# Altium PCB BoardM.PcbDoc (part 5 of 6) (continued)
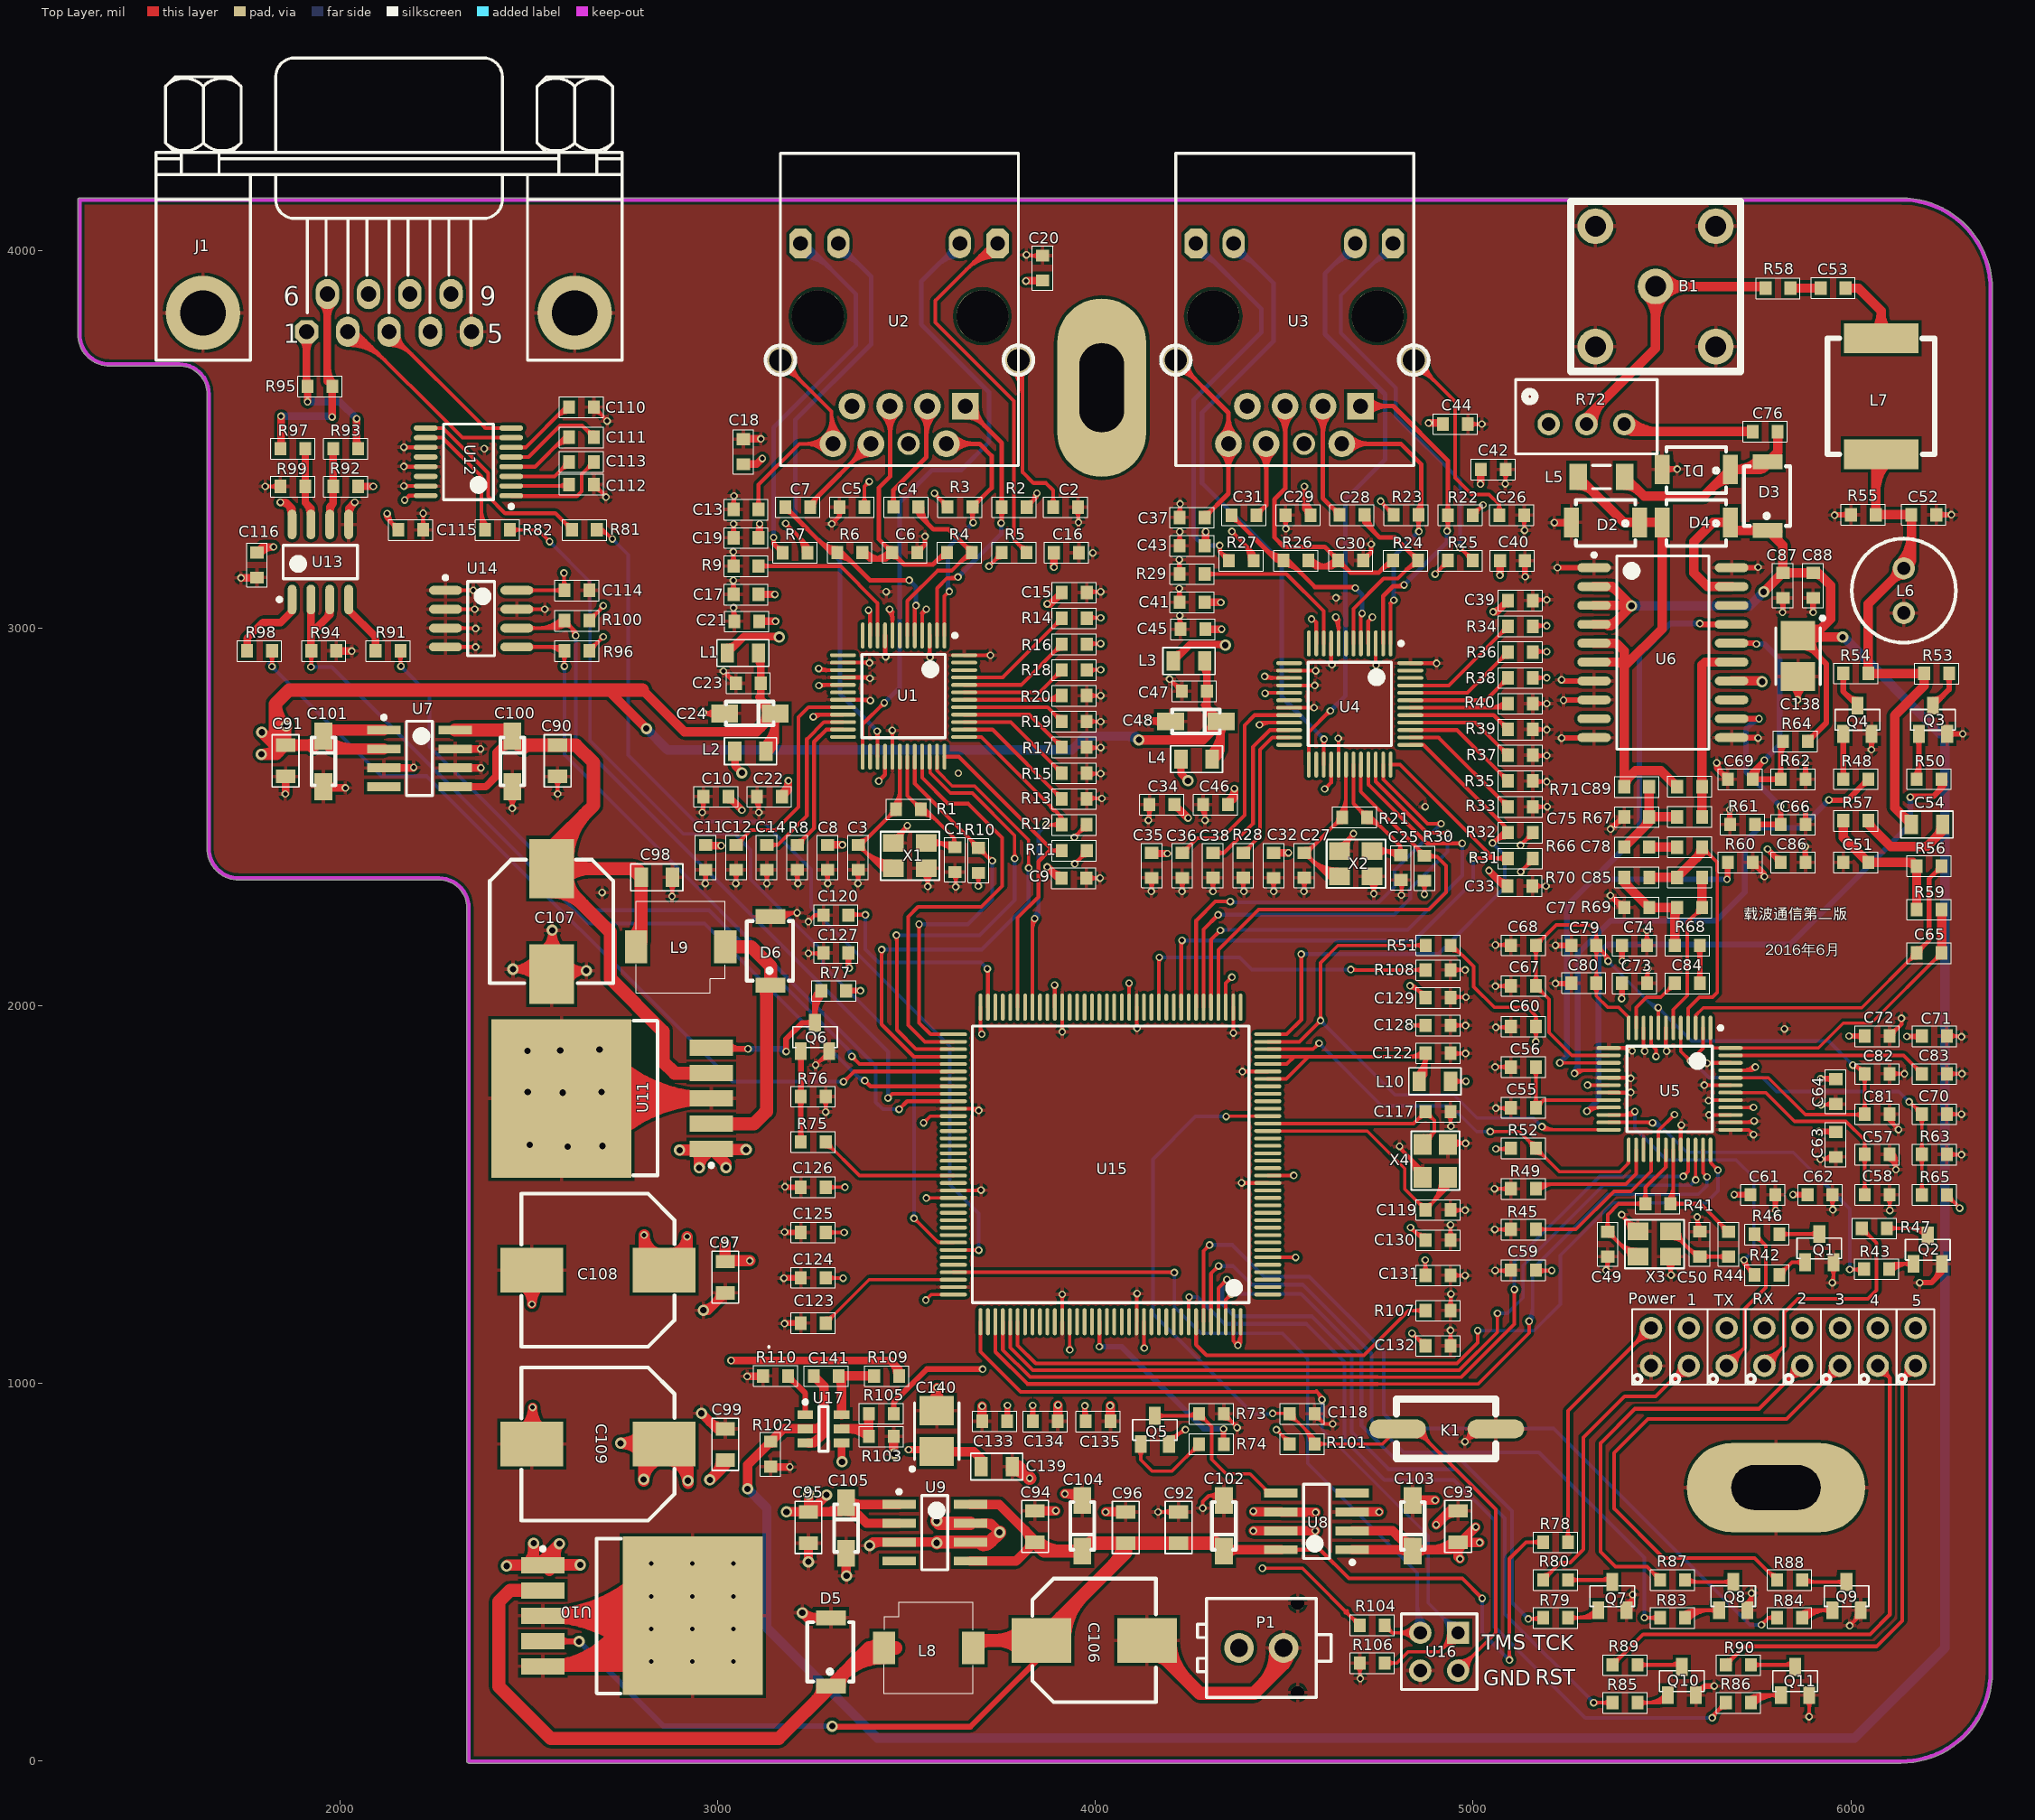
[diagram p0: Top Layer view]
## Nets (pads, with @x,y where several pads share a name; then routed paths per layer and width w, separated by ;. In a path a pad name is that pad's centre, name@x,y a point inside that pad or via, vN(x,y) a via of type N, cw(c..) or ccw(c..) an arc to the next point about the centre after c; other vN are vias at no path point) (continued)
RX_LED: R43.1 U5.23 | length 1134.3
  Top Layer w9: U5.23@5358.58,1691.42 v1@5475,1691.42 ; 5458.3,1691.42 cw(c5458.3,1673.3) v1@5471.11,1686.11 ; v1(5997,1302) R43.1@6034,1302 ; v1@6000.89,1298.11 cw(c6010.28,1288.72) 6010.28,1302 cw(c6010.28,1315.28) v1@6000.89,1305.89 ; v1@6005.51,1302 cw(c6005.51,1271.54) R43.1@6027.05,1293.08 ; 6010.18,1302 ccw(c6010.18,1325.85) R43.1@6027.05,1308.99
  Bottom Layer w9: v1@5473.13,1692.96 cw(c5478.9,1683.82) 5486.54,1691.46 ; v1@5475,1684.5 cw(c5475,1639.84) 5506.58,1671.42 ; v1(5475,1690) 5488,1690 ; v1@5475,1693.5 cw(c5475,1670.57) 5491.22,1686.78 ; v1@5477.94,1685.35 cw(c5485.06,1674.06) 5494.5,1683.5 ; v1@5478.95,1686.17 cw(c5488,1677.39) 5488,1690 ; v1@5478.95,1693.83 ccw(c5488,1702.61) 5488,1690 ; v1@5993.11,1305.89 ccw(c5983.72,1315.28) 5997,1315.28 ccw(c6010.28,1315.28) v1@6000.89,1305.89 ; v1(5997,1302) 5997,1462 5847,1612 5566,1612 5488,1690
SHDN: R45.1 U5.28 | length 468.1
  Top Layer w9: R45.1@5165.85,1408.06 5272.06,1408.06 5373,1509 5418,1509 5470.79,1561.79 U5.28@5470.79,1618.58 ; R45.1@5173.8,1400.11 cw(c5193.01,1380.9) 5193.01,1408.06 cw(c5193.01,1435.21) R45.1@5173.8,1416.01
SIGNAL: B1.2 R58.2 R72.2 | length 1051.7
  Top Layer w15: R72.2@5300,3540 R72.2@5300,3557
  Top Layer w25: R72.2@5300,3557 5482.98,3739.98 B1.2@5482.98,3904.45 R58.2@5766.45,3904.45 ; R72.2@5317.03,3540 cw(c5399.18,3540) 5341.09,3598.09 ; B1.2@5458.42,3879.88 cw(c5399.1,3820.57) 5482.98,3820.57 cw(c5566.86,3820.57) 5507.55,3879.88 cw(c5566.86,3820.57) 5566.86,3904.45 cw(c5566.86,3988.33) B1.2@5507.55,3929.02
SPI1_CLK: U4.33 U15.41 | length 1443.8
  Top Layer w10: U15.41@4305.75,1996.34 4305.75,2140 ; 4305.75,2148 4305.75,2140 ; v1@4326,2200 cw(c4313.93,2200) 4322.46,2191.46 cw(c4331,2182.93) v1@4331,2195 ; v1@4331,2201 v1(4331,2200) 4305.75,2174.75 4305.75,2140 ; U4.33@4722.41,2638.57 4722.41,2585.59 4878,2430 v1(4971,2430) ; v1@4967.46,2426.46 ccw(c4958.93,2417.93) 4958.93,2430 ccw(c4958.93,2442.07) v1@4967.46,2433.54
  Bottom Layer w10: v1(4331,2200) 4331,2201 4827,2201 4971,2345 v1(4971,2430) ; v1@4334.54,2196.46 cw(c4345.49,2185.51) 4345.49,2201 ; v1@4967.46,2426.46 cw(c4958.93,2417.93) 4971,2417.93 cw(c4983.07,2417.93) v1@4974.54,2426.46
SPI1_MISO: U4.34 U15.42 | length 1360
  Top Layer w10: U15.42@4286.06,1996.34 4286.06,2202.06 v1(4325,2241) ; v1@4320,2241 cw(c4307.93,2241) 4316.46,2232.46 cw(c4325,2223.93) v1@4325,2236 ; 4742.1,2593.45 U4.34@4742.1,2638.57 ; 4742.88,2592.67 4877.54,2458 v1@4932,2458 ; 4917.51,2458 cw(c4917.51,2442.51) v1@4928.46,2453.46
  Bottom Layer w10: v1(4325,2241) 4790.53,2241 4833,2283.47 4833,2309 4932,2408 v1(4932,2457) ; v1@4328.54,2237.46 cw(c4337.07,2228.93) 4337.07,2241 cw(c4337.07,2253.07) v1@4328.54,2244.54 ; v1@4928.46,2453.46 cw(c4919.93,2444.93) 4932,2444.93 cw(c4944.07,2444.93) v1@4935.54,2453.46
SPI1_MOSI: U4.35 U15.43 | length 1319.7
  Top Layer w10: U15.43@4266.38,1996.34 4266.38,2225.38 4317,2276 v1(4357,2276) ; v1@4353.46,2272.46 ccw(c4344.93,2263.93) 4344.93,2276 ccw(c4344.93,2288.07) v1@4353.46,2279.54 ; U4.35@4761.78,2638.57 4761.78,2599.22 4879,2482 v1@4911,2482 ; v1@4911.46,2478.46 ccw(c4902.93,2469.93) 4902.93,2482 ccw(c4902.93,2494.07) v1@4911.46,2485.54
  Bottom Layer w10: v1(4357,2276) 4359,2274 4750,2274 4792,2316 4792,2359 v1(4915,2482) ; v1@4360.54,2279.54 ccw(c4373.9,2292.9) 4373.9,2274 ; v1@4910,2482 cw(c4897.93,2482) 4906.46,2473.46 cw(c4915,2464.93) v1@4915,2477
SPI1_NSS: R30.1 U4.32 U15.40 | length 1344
  Top Layer w10: U15.40@4325.43,1996.34 4325.43,2148 4432,2254.57 4882.57,2254.57 4928,2300 4928,2371 4904,2395 R30.1@4875,2395 ; U4.32@4702.53,2638.57 4702.53,2567.32 4871,2398.85 R30.1@4871,2397 ; 4847.98,2421.87 cw(c4823.12,2397) R30.1@4858.28,2397 ; R30.1@4857.2,2412.65 ccw(c4869.03,2424.48) R30.1@4869.03,2407.75 ; R30.1@4880.57,2389.4 cw(c4894.09,2375.88) 4894.09,2395 ; R30.1@4880.57,2404.6 ccw(c4903.74,2427.78) 4903.74,2395
SPI2_CLK: U1.33 U15.74 | length 1168.9
  Top Layer w10: U1.33@3541.21,2659.57 3541.21,2603.79 3610,2535 3663,2535 3753,2445 3753,2401 3753,2317 3698,2262 3530,2262 3504,2236 3504,1949 3548.2,1904.8 U15.74@3623.66,1904.8
SPI2_MISO: U1.34 U15.75 | length 1351
  Top Layer w9: U1.34@3560.9,2659.57 3562.18,2658.29 3562.18,2616.78 3615.96,2563 3674,2563 3786,2451 v1(3786,2390) ; v1@3782.11,2393.89 ccw(c3772.72,2403.28) 3786,2403.28 ccw(c3799.28,2403.28) v1@3789.89,2393.89
  Top Layer w10: v1@3469.46,2183.46 cw(c3458.51,2172.51) 3474,2172.51 ; v1@3474,2187 3474,1936.09 3524.97,1885.12 U15.75@3623.66,1885.12
  Bottom Layer w10: v1(3473,2187) 3693,2187 3786,2280 v1(3786,2390) ; v1@3476.54,2183.46 cw(c3485.07,2174.93) 3485.07,2187 cw(c3485.07,2199.07) v1@3476.54,2190.54 ; v1@3782.46,2386.46 cw(c3773.93,2377.93) 3786,2377.93 cw(c3798.07,2377.93) v1@3789.54,2386.46
SPI2_MOSI: U1.35 U15.76 | length 1463
  Top Layer w9: U1.35@3580.58,2659.57 3580.58,2622.42 3621,2582 3680,2582 3823,2439 v1(3823,2365) ; v1@3819.11,2368.89 ccw(c3809.72,2378.28) 3823,2378.28 ccw(c3836.28,2378.28) v1@3826.89,2368.89
  Top Layer w10: v1@3430.46,2145.46 cw(c3421.93,2136.93) 3434,2136.93 cw(c3446.07,2136.93) v1@3437.54,2145.46 ; v1(3434,2149) 3434,1950.63 3519.2,1865.43 U15.76@3623.66,1865.43
  Bottom Layer w10: v1(3434,2149) 3699,2149 3823,2273 v1(3823,2365) ; v1@3437.54,2145.46 cw(c3446.07,2136.93) 3446.07,2149 cw(c3446.07,2161.07) v1@3437.54,2152.54 ; v1@3819.46,2361.46 cw(c3810.93,2352.93) 3823,2352.93 cw(c3835.07,2352.93) v1@3826.54,2361.46
SPI2_NSS: R10.1 U1.32 U15.73 | length 1204.2
  Top Layer w10: U1.32@3521.53,2659.57 3521.53,2588.32 3690,2419.85 R10.1@3690,2418 3724,2384 v1(3727,2384) ; v1@3529.46,2212.46 cw(c3520.93,2203.93) 3533,2203.93 cw(c3545.07,2203.93) v1@3536.54,2212.46 ; v1(3533,2216) 3533,1955 3563.51,1924.49 U15.73@3623.66,1924.49 ; 3666.98,2442.87 cw(c3642.12,2418) R10.1@3677.28,2418 ; R10.1@3676.2,2433.65 ccw(c3688.03,2445.48) R10.1@3688.03,2428.75 ; R10.1@3691.97,2407.25 cw(c3691.97,2386.06) 3706.96,2401.04 ; R10.1@3702.72,2418 ccw(c3733.42,2418) 3711.71,2396.29 ; 3713.34,2394.66 ccw(c3727,2408.31) v1@3727,2389
  Bottom Layer w10: v1(3533,2216) 3662,2216 3727,2281 v1(3727,2384) ; v1@3536.54,2212.46 cw(c3545.07,2203.93) 3545.07,2216 cw(c3545.07,2228.07) v1@3536.54,2219.54 ; v1@3723.46,2380.46 cw(c3714.93,2371.93) 3727,2371.93 cw(c3739.07,2371.93) v1@3730.54,2380.46
SPI3_CLK: U5.35 U15.111 | length 2502.4
  Top Layer w9: 4747,999 5013,999 5148,1134 v1(5148,1165) ; v1@5144.11,1161.11 cw(c5134.72,1151.72) 5148,1151.72 cw(c5161.28,1151.72) v1@5151.89,1161.11 ; U5.35@5608.58,1618.58 5608.58,1557.42 v1(5619,1547)
  Top Layer w10: U15.111@3734.88,1163.66 3734.88,1083.75 3819.63,999 4747,999
  Bottom Layer w9: v1@5144.11,1168.89 ccw(c5112.99,1200.01) 5157,1200.01 ; v1(5148,1165) 5157,1174 5157,1302 5356,1501 5596,1501 5619,1524 v1(5619,1547) ; v1@5150.47,1162.53 ccw(c5134.72,1178.28) 5157,1178.28 ; v1@5615.11,1543.11 cw(c5605.72,1533.72) 5619,1533.72 cw(c5632.28,1533.72) v1@5622.89,1543.11
SPI3_MISO: U5.33 U15.112 | length 2382.3
  Top Layer w9: 4747,1017 4969.08,1017 5109,1156.92 v1(5109,1249) ; v1@5105.11,1245.11 cw(c5095.72,1235.72) 5109,1235.72 cw(c5122.28,1235.72) v1@5112.89,1245.11 ; v1(5556.44,1548.44) 5569.21,1561.21 U5.33@5569.21,1618.58 ; v1@5556.44,1553.94 ccw(c5556.44,1567.22) 5565.83,1557.83 ccw(c5575.22,1548.44) v1@5561.94,1548.44
  Top Layer w10: U15.112@3754.57,1163.66 3754.57,1089.52 3827.09,1017 4747,1017
  Bottom Layer w9: v1@5105.11,1252.89 ccw(c5095.72,1262.28) 5109,1262.28 ccw(c5122.28,1262.28) v1@5112.89,1252.89 ; v1(5109,1249) 5109,1323 5334.44,1548.44 v1(5556.44,1548.44) ; v1@5552.56,1544.56 ccw(c5543.17,1535.17) 5543.17,1548.44 ccw(c5543.17,1561.72) v1@5552.56,1552.33
SPI3_MOSI: U5.34 U15.113 | length 2359.4
  Top Layer w9: 4747,1035 4963.04,1035 5064.02,1135.98 v1(5064.02,1185.98) ; v1@5060.13,1182.09 cw(c5050.74,1172.7) 5064.02,1172.7 cw(c5077.3,1172.7) v1@5067.91,1182.09 ; v1@5585.01,1542.99 ccw(c5575.62,1552.38) 5588.9,1552.38 ccw(c5602.18,1552.38) v1@5592.79,1542.99 ; v1(5588.9,1539.1) U5.34@5588.9,1618.58
  Top Layer w10: U15.113@3774.25,1163.66 3774.25,1095.29 3834.54,1035 4747,1035
  Bottom Layer w9: v1(5064.02,1185.98) 5090.98,1185.98 5132,1227 5132,1313 5344,1525 5574.8,1525 v1(5588.9,1539.1) ; v1@5067.91,1182.09 cw(c5077.3,1172.7) 5077.3,1185.98 cw(c5077.3,1199.26) v1@5067.91,1189.87 ; v1@5583.4,1539.1 cw(c5570.12,1539.1) 5579.51,1529.71 cw(c5588.9,1520.32) v1@5588.9,1533.6
SPI3_NSS: U5.36 U15.114 | length 2433.7
  Top Layer w9: 4747,1053 4957,1053 5012,1108 v1(5012,1140) ; v1@5008.11,1136.11 cw(c4998.72,1126.72) 5012,1126.72 cw(c5025.28,1126.72) v1@5015.89,1136.11 ; U5.36@5628.27,1618.58 5628.27,1584.73 v1(5648,1565) ; U5.36@5628.69,1591.02 ccw(c5644.89,1591.02) 5633.44,1579.56 ; v1@5642.5,1565 ccw(c5629.22,1565) 5638.61,1574.39 ccw(c5648,1583.78) v1@5648,1570.5
  Top Layer w10: U15.114@3793.94,1163.66 3793.94,1101.06 3842,1053 4747,1053
  Bottom Layer w9: v1(5012,1140) 5161,1140 5230.5,1209.5 5230.5,1339.5 5369,1478 5616,1478 5648,1510 v1(5648,1565) ; v1@5015.89,1136.11 cw(c5025.28,1126.72) 5025.28,1140 cw(c5025.28,1153.28) v1@5015.89,1143.89 ; v1@5644.11,1561.11 cw(c5634.72,1551.72) 5648,1551.72 cw(c5661.28,1551.72) v1@5651.89,1561.11
TCK: R106.1 U15.109 U16.1 | length 2435
  Top Layer w9: U15.109@3695.51,1163.66 3695.51,1084.49 3802,978 4587,978 4600,965 v1(4600,957) ; 4584.95,980.05 cw(c4561.91,957) v1@4594.5,957 ; R106.1@4765.85,260 4798,260 4828,290 4910,290 U16.1@4960,340 ; R106.1@4773.8,252.05 cw(c4793.01,232.84) 4793.01,260 cw(c4793.01,287.16) R106.1@4773.8,267.95 ; U16.1@4934.97,340 cw(c4874.55,340) 4917.28,297.28 cw(c4960,254.55) U16.1@4960,314.97 ; U16.1@4943.97,340 cw(c4905.28,340) 4932.64,312.64 cw(c4960,285.28) U16.1@4960,323.97
  Bottom Layer w9: v1@4596.11,953.11 cw(c4586.72,943.72) 4600,943.72 cw(c4613.28,943.72) v1@4603.89,953.11 ; v1(4600,957) 4600,878 4881,597 4881,419 U16.1@4960,340 ; U16.1@4934.97,340 ccw(c4874.55,340) 4917.28,382.72 ccw(c4960,425.45) U16.1@4960,365.03 ; U16.1@4943.97,340 ccw(c4905.28,340) 4932.64,367.36 ccw(c4960,394.72) U16.1@4960,356.03
TDI: U15.110
TDO: U15.133
TMS: R104.2 U15.105 U16.3 | length 2455.6
  Top Layer w9: U15.105@3623.66,1294.57 v1@4208.43,1294.57 ; 4194.35,1294.57 cw(c4194.35,1279.35) v1@4205.11,1290.11 ; 4197.09,1294.57 ccw(c4197.09,1305.91) v1@4205.11,1297.89 ; R104.2@4766,360 4786,340 U16.3@4860,340 ; R104.2@4766.62,346.8 cw(c4768.09,320.13) 4786.98,339.02 ; R104.2@4777.25,358.03 ccw(c4799.65,358.03) 4783.81,342.19 ; U16.3@4842.3,322.3 ccw(c4799.58,279.58) 4799.58,340 ccw(c4799.58,400.42) U16.3@4842.3,357.7 ; U16.3@4848.67,328.67 ccw(c4821.31,301.31) 4821.31,340 ccw(c4821.31,378.69) U16.3@4848.67,351.33
  Bottom Layer w9: v1@4205.11,1290.11 cw(c4195.72,1280.72) 4209,1280.72 cw(c4222.28,1280.72) v1@4212.89,1290.11 ; v1(4209,1294) 4209,1203 4279,1133 4494,1133 4562,1065 4562,789 4852,499 4852,348 U16.3@4860,340 ; U16.3@4842.3,357.7 ccw(c4818.89,381.11) 4852,381.11 ; 4852,376.28 ccw(c4896.28,376.28) U16.3@4864.97,344.97 ; 4852,398.01 ccw(c4918.01,398.01) U16.3@4871.33,351.33 ; 4852,419.74 ccw(c4939.74,419.74) U16.3@4877.7,357.7
TX1_N: R3.1 U1.1 U2.2 | length 941.6
  Top Layer w10: U1.1@3600.27,2980.43 3600.27,3084.27 v1(3613,3097)
  Top Layer w12: U2.2@3604.09,3487.8 3693.2,3487.8 3725,3456 3725,3370.96 R3.1@3674.6,3320.56 v1@3674.6,3280.4 ; U2.2@3617.68,3475.47 cw(c3647.44,3445.71) 3647.44,3487.8 cw(c3647.44,3529.88) U2.2@3617.68,3500.12 ; U2.2@3626.17,3466.98 cw(c3676.41,3416.74) 3676.41,3487.8 cw(c3676.41,3558.85) U2.2@3626.17,3508.61 ; R3.1@3667.71,3311.7 cw(c3651.07,3295.06) 3674.6,3295.06 cw(c3698.13,3295.06) R3.1@3681.49,3311.7 ; 3674.6,3292.04 ccw(c3689.04,3292.04) v1@3678.83,3281.83 ; R3.1@3674.6,3332.28 ccw(c3674.6,3360.56) 3694.6,3340.56 ; R3.1@3684.35,3322.53 cw(c3703.13,3322.53) R3.1@3689.85,3335.81
  Bottom Layer w12: 3610,3113.9 ccw(c3629.9,3113.9) v1@3615.83,3099.83 ; v1(3613,3097) 3610,3100 3610,3213 v1(3676,3279)
TX1_P: R2.1 U1.2 U2.1 | length 1011.6
  Top Layer w10: U1.2@3580.58,2980.43 3580.58,3105.58 3607,3132 v1@3627.34,3132
  Top Layer w12: 3619.1,3132 ccw(c3619.1,3151.9) v1@3633.17,3137.83 ; v1@3627.34,3132 3630.34,3135 v1(3636,3135) ; U2.1@3654.09,3587.8 3752,3489.88 R2.1@3752,3320 v1@3752,3280 ; U2.1@3655.35,3558.36 cw(c3655.35,3490.37) 3703.43,3538.45 ; U2.1@3655.35,3570.36 cw(c3655.35,3531.34) U2.1@3682.95,3558.93 ; U2.1@3672.79,3587.8 ccw(c3717.93,3587.8) U2.1@3686.01,3555.87 ; U2.1@3684.79,3587.8 ccw(c3758.9,3587.8) 3706.49,3535.39 ; R2.1@3745.11,3311.14 cw(c3728.47,3294.5) 3752,3294.5 cw(c3775.53,3294.5) R2.1@3758.89,3311.14 ; R2.1@3745.11,3328.86 ccw(c3728.47,3345.5) 3752,3345.5 ccw(c3775.53,3345.5) R2.1@3758.89,3328.86 ; v1@3747.17,3280.83 ccw(c3735.51,3292.49) 3752,3292.49
  Bottom Layer w12: v1(3636,3135) 3750,3249 v1(3750,3278)
TX2_N: R23.1 U3.2 U4.1 | length 988.9
  Top Layer w10: U4.1@4781.47,2959.43 4781.47,3065.47
  Top Layer w12: U3.2@4652.09,3487.8 4808.2,3487.8 4862,3434 4862,3318.71 cw(c4854.53,3318.71) R23.1@4855,3311.26 ; U3.2@4664.41,3475.47 cw(c4694.17,3445.71) 4694.17,3487.8 cw(c4694.17,3529.88) U3.2@4664.41,3500.12 ; U3.2@4672.9,3466.98 cw(c4723.14,3416.74) 4723.14,3487.8 cw(c4723.14,3558.85) U3.2@4672.9,3508.61 ; 4781.47,3065.47 v1(4790,3074) ; R23.1@4848.71,3290.7 cw(c4832.07,3274.06) 4855.6,3274.06 cw(c4879.13,3274.06) R23.1@4862.49,3290.7 ; R23.1@4848.71,3308.42 ccw(c4816.62,3340.51) 4862,3340.51 ; 4855.6,3266.62 ccw(c4866.62,3266.62) v1@4858.83,3258.83 ; R23.1@4855.6,3299.56 4855.6,3256.4 v1(4856,3256)
  Bottom Layer w12: v1(4790,3074) 4790,3190 v1(4856,3256)
TX2_P: R22.1 U3.1 U4.2 | length 1138.1
  Top Layer w10: U4.2@4761.58,2959.43 4761.58,3084.58
  Top Layer w12: U3.1@4702.09,3587.8 4788.2,3587.8 4933,3443 R22.1@4933,3299 v1@4933,3259 ; U3.1@4714.41,3575.47 cw(c4744.17,3545.71) 4744.17,3587.8 cw(c4744.17,3629.88) U3.1@4714.41,3600.12 ; U3.1@4722.9,3566.98 cw(c4773.14,3516.74) 4773.14,3587.8 cw(c4773.14,3658.85) U3.1@4722.9,3608.61 ; 4761.58,3084.58 4788,3111 4808.34,3111 4811.34,3114 v1(4817,3114) ; 4800.1,3111 ccw(c4800.1,3130.9) v1@4814.17,3116.83 ; R22.1@4926.11,3290.14 cw(c4909.47,3273.5) 4933,3273.5 cw(c4956.53,3273.5) R22.1@4939.89,3290.14 ; R22.1@4926.11,3307.86 ccw(c4909.47,3324.5) 4933,3324.5 ccw(c4956.53,3324.5) R22.1@4939.89,3307.86 ; v1@4928.17,3259.83 ccw(c4916.51,3271.49) 4933,3271.49
  Bottom Layer w12: v1(4817,3114) 4931,3228 v1(4931,3257)
TX_EN: R60.2 U5.15 U6.4 | length 2037
  Top Layer w9: v1(5229.1,1848.9) U5.15@5358.58,1848.9 ; v1@5232.99,1845.01 cw(c5242.38,1835.62) 5242.38,1848.9 cw(c5242.38,1862.18) v1@5232.99,1852.79
  Top Layer w15: v1@5601.77,3013.77 ccw(c5610.86,3022.86) 5610.86,3010 ; v1@5602,3010 U6.4@5684.17,3010 ; R60.2@5668.17,2372.2 cw(c5654.09,2358.12) 5674,2358.12 cw(c5693.91,2358.12) R60.2@5679.83,2372.2 ; v1@5670.23,2336.77 ccw(c5661.14,2345.86) 5674,2345.86 ; v1@5674,2337 R60.2@5674,2380
  Bottom Layer w15: v1(5229.1,1848.9) 5248,1867.8 5248,2265 5440,2457 5440,2930 5522,3012 v1(5600,3012) ; 5324.4,2335 v1(5672,2335)
TX_LED: R42.2 U5.22 | length 949.2
  Top Layer w9: U5.22@5358.58,1711.1 5419.1,1711.1 v1(5428,1720) ; 5393.24,1711.1 ccw(c5393.24,1754.76) v1@5424.11,1723.89 ; 5414.97,1711.1 ccw(c5414.97,1733.03) v1@5430.47,1717.53 ; v1@5713.5,1327 ccw(c5732.67,1327) 5719.12,1313.44 ; v1(5717,1327) 5717,1315.56 R42.2@5745,1287.56 ; 5722.44,1310.12 ccw(c5745,1332.68) R42.2@5745,1300.78 ; v1@5722.5,1327 ccw(c5763.4,1327) R42.2@5734.48,1298.08 ; 5727.19,1305.37 cw(c5711.35,1289.53) R42.2@5733.75,1289.53
  Bottom Layer w9: v1@5424.11,1716.11 cw(c5414.72,1706.72) 5428,1706.72 cw(c5441.28,1706.72) v1@5431.89,1716.11 ; v1(5428,1720) 5428,1676 5512,1592 5696,1592 5743,1545 5743,1353 v1(5717,1327) ; v1@5717,1332.5 ccw(c5717,1345.78) 5726.39,1336.39 ccw(c5735.78,1327) v1@5722.5,1327
VCC5: C90.1 C98.2 C100.2 C107.2 L9.2 U7.5 U7.8 U11.4 | length 3012.8
  Top Layer w20: U7.5@2304.98,2580 2386,2580 2413,2607 2413,2670.94 C100.2@2456,2713.94 ; 2412.58,2670.52 cw(c2456,2627.1) C100.2@2456,2688.5
  Top Layer w35: U7.8@2304.98,2730 2439.94,2730 C100.2@2456,2713.94 2479.94,2690 ; 2430.95,2730 cw(c2430.95,2700.7) C100.2@2451.67,2721.42 ; C100.2@2456.14,2696.01 cw(c2457.06,2655.32) 2485.84,2684.1 ; C100.2@2460.33,2706.45 ccw(c2500.05,2746.18) 2500.05,2690 ; C100.2@2461.9,2703.75 ccw(c2479.94,2708.7) 2479.94,2690 ; C107.2@2560,2301.91 cw(c2560,2183.39) 2643.8,2267.2 ; C107.2@2566.56,2382.83 cw(c2672.11,2382.83) 2597.47,2457.47 ; C107.2@2589.38,2333.77 cw(c2660.32,2262.83) 2660.32,2363.15 cw(c2660.32,2463.47) C107.2@2589.38,2392.53 ; C107.2@2601.56,2343.46 ccw(c2683.69,2343.46) 2625.61,2285.39 ; C107.2@2601.56,2382.83 cw(c2791.6,2382.83) 2657.22,2517.22 ; 2759.92,2363.15 cw(c2759.92,2310.47) C98.2@2797.17,2347.72 ; L9.2@2775.27,2178.28 ccw(c2722.05,2231.51) 2797.32,2231.51 ; C98.2@2797.12,2347.79 ccw(c2774.17,2338.33) 2774.17,2363.15 ; L9.2@2797.32,2169.54 C98.2@2797.32,2340 2774.17,2363.15 ; U11.4@2983,1821.79 2886.21,1821.79 2855,1853 2855,1933 2716,2072 2716,2195 2560,2351 C107.2@2560,2363.15 ; 2479.94,2690 2625,2690 2671,2644 2671,2531 2560,2420 C107.2@2560,2363.15 ; C107.2@2560,2363.15 2774.17,2363.15
VCC15: C97.2 C99.2 C108.2 C109.2 C139.2 C140.2 P1.1 R109.1 U10.1 U11.1 U17.4 | length 2793.6
  Top Layer w20: v1(3035,1061) 3457,1061 3480,1038 R109.1@3480,1020 ; v2@3328.23,793.77 U17.4@3328.23,842.6 ; 3458.85,1059.15 cw(c3421.67,1021.97) R109.1@3474.25,1021.97 ; v1(3505,825) C140.2@3550,825 ; C139.2@3697.32,780 C139.2@3697.32,800.68
  Top Layer w25: C140.2@3580,820 3678,820 C139.2@3697.32,800.68
  Top Layer w30: v2@2443,519 U10.1@2537,519 2538,520 v2(2636,520) ; U10.1@2496.86,523.7 ccw(c2457.9,562.66) v2@2513,562.66 ; U10.1@2499.73,525.4 ccw(c2494.69,543) 2513,543 v2(2513,577) ; U10.1@2537,532 v2(2581,576) ccw(c2609.33,547.66) U10.1@2577.69,523.08 ; U10.1@2554,504.68 cw(c2582.27,526.64) 2556.95,551.95 ; C109.2@2798.91,813.81 ccw(c2743,772.48) v2(2743,842) ; C109.2@2800.86,868.64 cw(c2743,918.14) v2(2743,842) ; v2@2804,741.23 cw(c2862.71,741.23) C109.2@2846.5,797.66 ; v2(2804,746) C109.2@2804,786.05 ; C109.2@2804,781.06 cw(c2851.26,781.06) C109.2@2838.21,826.49 ; C108.2@2805,1352.95 v1(2805,1393) ccw(c2856.56,1393) C108.2@2844.57,1342.85 ; C108.2@2805,1354.98 ccw(c2847.47,1354.98) C108.2@2837.6,1313.67 ; C109.2@2855.95,842 v2(2743,842) ; C109.2@2871.76,797.05 cw(c2857.65,735.3) v2@2921,735.3 ; C108.2@2877.7,1343.88 ccw(c2873.71,1389) v1(2919,1389) 2919,1361.05 ; C109.2@2878.44,826.3 cw(c2866.25,772.92) 2921,772.92 ; C108.2@2880.34,1314 ccw(c2876.61,1356.23) C108.2@2919,1356.23 ; v2(2899,1618) U11.1@2980,1618 ; v2(2921,743) 2921,776.95 ; 2924.26,1618 ccw(c2924.26,1644.31) U11.1@2942.86,1625.7 ; U11.1@2963.73,1601.73 ccw(c2994.46,1571) v2(2951,1571) 2951,1589 U11.1@2980,1618 ; v2(2979,745) 3020,786 C99.2@3020,797.32 ; 2993.91,759.91 ccw(c2956.51,797.32) C99.2@3009.41,797.32 ; 3014.93,1589.07 cw(c2997.86,1572) v2(3022,1572) 3022,1582 U11.1@2985,1619 ; C97.2@3019,1323.68 v1(3019,1370) ; C97.2@3022.32,1325 v1(3085,1325) ; v2(3075,1619) U11.1@2985,1619 ; U11.1@2980,1618 U11.1@2983,1621 U11.1@2985,1619 ; U11.1@2942.86,1616.3 cw(c2923.22,1596.65) 2951,1596.65 ccw(c2923.22,1596.65) U11.1@2942.86,1616.3
  other v2: 2441,517 3329,793
VCC-3.3: C23.2 C24.2 C47.2 C48.2 C91.1 C101.2 C114.2 C115.2 C116.1 L1.1 L2.1 L3.1 L4.1 R92.1 R96.1 R100.1 U7.1 U7.2 U12.16 U13.8 U14.8 | length 6849.5
  Top Layer w10: v1@2120,3303 ccw(c2141.73,3303) 2126.36,3287.64 ; v1(2125,3303) 2125,3289 C115.2@2154,3260 ; v1@2130,3303 ccw(c2175.87,3303) C115.2@2143.44,3270.56 ; 2132.29,3281.71 ccw(c2154,3303.42) C115.2@2154,3272.72 ; 2137.04,3276.96 cw(c2122.06,3261.97) C115.2@2143.25,3261.97 ; v1(2171,3339) 2182.43,3350.43 U12.16@2226.81,3350.43 ; U14.8@2467.98,3100 C114.2@2594,3100 ; U14.8@2504.29,3095.18 cw(c2515.92,3083.56) 2515.92,3100 cw(c2515.92,3116.44) U14.8@2504.29,3104.82 ; C114.2@2586.4,3092.4 ccw(c2568.05,3074.05) 2568.05,3100 ccw(c2568.05,3125.95) C114.2@2586.4,3107.6 ; C114.2@2586.4,3109.57 ccw(c2570.47,3125.5) 2593,3125.5 ; v1@2589.46,3142.46 cw(c2580.93,3133.93) 2593,3133.93 cw(c2605.07,3133.93) v1@2596.54,3142.46 ; C114.2@2593,3101 v1(2593,3146) ; 2593,3130.33 ccw(c2622.36,3130.33) C114.2@2601.6,3109.57 ; R96.1@2660,2940 v1(2697,2977) ; R96.1@2660,2952.72 ccw(c2660,2983.42) 2681.71,2961.71 ; R100.1@2660,3020 2697,3057 v1(2697,3059) ; R100.1@2660,3032.72 ccw(c2660,3063.42) 2681.71,3041.71 ; R96.1@2670.75,2941.97 cw(c2691.94,2941.97) 2676.96,2956.96 ; R100.1@2670.75,3021.97 cw(c2691.94,3021.97) 2676.96,3036.96 ; 2687.05,3047.05 ccw(c2675.1,3059) v1@2692,3059 ; v1@2692,2977 cw(c2679.93,2977) 2688.46,2968.46 cw(c2697,2959.93) v1@2697,2972 ; 2125,3290.93 cw(c2137.07,3290.93) 2128.54,3299.46 ccw(c2137.07,3290.93) 2125,3290.93 ; 2125,3290.93 ccw(c2112.93,3290.93) 2121.46,3299.46 cw(c2112.93,3290.93) 2125,3290.93
  Top Layer w20: C116.1@1780,3200 1795,3215 v1(1824,3215) ccw(c1824,3167.8) C116.1@1786.53,3196.5 ; 1859.99,3329.01 cw(c1832.94,3301.97) U13.8@1871.19,3301.97 ; 1863,3326 ccw(c1845.5,3308.5) v1(1842,3333) ; 1865.9,3323.1 ccw(c1842,3299.2) v1(1842,3333) ; U13.8@1873,3274.41 1873,3316 1856,3333 v1(1842,3333) ; R92.1@2048,3375 v1(2088,3375) ; L1.1@3102.54,2920.67 cw(c3074.89,2893.01) 3114,2893.01 ; L1.1@3108,2934 3114,2928 C23.2@3114,2854 3114,2811.94 C24.2@3151.94,2774 3151.94,2697.94 ; 3108.52,2817.42 cw(c3065.1,2774) C24.2@3126.5,2774 ; L2.1@3122.54,2687.33 ccw(c3051.58,2758.29) C24.2@3151.94,2758.29 ; L2.1@3128,2674 3151.94,2697.94 ; L2.1@3128.72,2689.56 ccw(c3131.41,2718.47) 3151.94,2697.94 ; L2.1@3136.69,2673.19 ccw(c3099.87,2710.01) 3151.94,2710.01 ; C24.2@3142.3,2764.37 cw(c3119.05,2741.11) 3151.94,2741.11 cw(c3184.82,2741.11) C24.2@3161.57,2764.37 ; L3.1@4283.54,2899.67 cw(c4255.89,2872.01) 4295,2872.01 ; L3.1@4289,2913 4295,2907 C47.2@4295,2833 4295,2790.94 C48.2@4332.94,2753 4332.94,2676.94 ; 4289.52,2796.42 cw(c4246.1,2753) C48.2@4307.5,2753 ; L4.1@4303.54,2666.33 ccw(c4232.58,2737.29) C48.2@4332.94,2737.29 ; L4.1@4309,2653 4332.94,2676.94 ; L4.1@4309.72,2668.56 ccw(c4312.41,2697.47) 4332.94,2676.94 ; L4.1@4317.69,2652.19 ccw(c4280.87,2689.01) 4332.94,2689.01 ; C48.2@4323.3,2743.37 cw(c4300.05,2720.11) 4332.94,2720.11 cw(c4365.82,2720.11) C48.2@4342.57,2743.37
  Top Layer w25: 1829,2717 C91.1@1856,2690 ; 1833.65,2712.35 cw(c1811.31,2690) C91.1@1842.91,2690 ; 2709,2836 v2(2811,2734) ; 2801,2836 2912,2725 3102.94,2725 C24.2@3151.94,2774 ; 3112.79,2734.85 ccw(c3073.64,2774) C24.2@3129,2774 ; v2(4115,2704) 4283.94,2704 C48.2@4332.94,2753 ; 4293.79,2713.85 ccw(c4254.64,2753) C48.2@4310,2753
  Top Layer w30: v2(1793,2724) 1827,2690 C91.1@1856,2690 ; 1807.42,2709.58 ccw(c1848.13,2750.28) C91.1@1848.13,2692.72 ; 1837.92,2671.92 ccw(c1819.84,2690) C91.1@1845.41,2690 ; C91.1@1846.02,2691.71 cw(c1792,2735.59) v2(1792,2666) 1832,2666 C91.1@1856,2690 ; v2(1857,2741) 1856,2740 C91.1@1856,2690 ; 1905.91,2690 ccw(c1905.91,2752.22) C101.2@1949.9,2708.22 ; 1926.16,2684.1 cw(c1949.93,2660.32) C101.2@1954.76,2693.59 ; C101.2@1947.47,2703.35 cw(c1932.06,2705.56) 1932.06,2690 ; C101.2@1956,2693.5 cw(c1956,2644.17) 1990.88,2679.06 ; C101.2@1962.1,2708.22 ccw(c2030.23,2776.36) 2030.23,2680 ; C101.2@1962.1,2719.65 cw(c1987.08,2694.67) 1987.08,2730 ; C101.2@1964.58,2702.97 ccw(c1989.94,2705.48) 1989.94,2680 ; U7.2@2116,2680 1989.94,2680 ; U7.1@2116,2730 1972.06,2730 C101.2@1956,2713.94 ; C91.1@1856,2690 1932.06,2690 ; 1932.06,2690 C101.2@1956,2713.94 ; C101.2@1956,2713.94 1989.94,2680
  Top Layer w35: 1829,2704.12 cw(c1870.91,2704.12) v2@1856.12,2743.34 ; 1829,2736.7 ccw(c1894.82,2736.7) C91.1@1848.28,2690.15 ; C91.1@1848.2,2690.21 cw(c1857.3,2717) 1829,2717 1829,2799 ; v2@1855.31,2739.16 cw(c1910.2,2799) 1829,2799 ; 2801,2836 2709,2836 1866,2836 1829,2799
  Bottom Layer w25: v2(2811,2734) 2867,2678 3938,2678 3974,2714 4105,2714 v2(4115,2704) ; 4084.82,2714 cw(c4084.82,2673.82) v2@4113.23,2702.23
VDD: C122.2 L10.2 U15.30 U15.32 U15.33 | length 963.3
  Top Layer w10: U15.30@4456.34,1806.38 4504.94,1806.38 4564,1865.43 ; U15.32@4456.34,1845.75 4506.31,1845.75 4526,1865.43 ; U15.33@4456.34,1865.43 4526,1865.43 ; 4829.71,1865.43 ccw(c4829.71,1917.32) C122.2@4866.4,1880.63 ; L10.2@4848.7,1817.22 ccw(c4795.38,1875) C122.2@4874,1875 ; 4853.85,1865.43 ccw(c4853.85,1893.18) C122.2@4873.47,1873.56 ; L10.2@4855.48,1809.87 ccw(c4816.45,1852.16) 4874,1852.16 ; L10.2@4857.32,1800 4874,1816.68 C122.2@4874,1875 ; L10.2@4862.26,1802.52 ccw(c4837.53,1829.33) 4874,1829.33 ; C122.2@4866.4,1865.43 cw(c4848.05,1847.08) 4874,1847.08 cw(c4899.95,1847.08) C122.2@4881.6,1865.43 ; C122.2@4870,1875 C122.2@4874,1875 ; 4526,1865.43 4564,1865.43 ; 4564,1865.43 4864.43,1865.43 C122.2@4874,1875
VDD2.5: C67.2 C68.2 C79.2 C80.2 C81.2 C82.2 U5.8 U5.12 U5.14 U5.44 | length 3089.9
  Top Layer w9: C67.2@5158.05,2062.42 ccw(c5138.84,2081.62) 5166,2081.62 ccw(c5193.16,2081.62) C67.2@5173.95,2062.42 ; C68.2@5158.05,2150.08 cw(c5138.84,2130.88) 5166,2130.88 cw(c5193.16,2130.88) C68.2@5173.95,2150.08 ; C67.2@5166,2039.28 cw(c5166,2007.38) 5188.56,2029.94 ; C68.2@5166,2173.22 ccw(c5166,2205.12) 5188.56,2182.56 ; C67.2@5177.25,2050.53 ccw(c5199.65,2050.53) 5183.81,2034.69 ; C68.2@5177.25,2161.97 cw(c5199.65,2161.97) 5183.81,2177.81 ; C80.2@5318.05,2050.08 cw(c5298.84,2030.88) 5326,2030.88 cw(c5353.16,2030.88) C80.2@5333.95,2050.08 ; C80.2@5318.05,2069.92 ccw(c5298.84,2089.12) 5326,2089.12 ccw(c5353.16,2089.12) C80.2@5333.95,2069.92 ; C79.2@5318.05,2150.08 cw(c5298.84,2130.88) 5326,2130.88 cw(c5353.16,2130.88) C79.2@5333.95,2150.08 ; C79.2@5318.05,2169.92 ccw(c5298.84,2189.12) 5326,2189.12 ccw(c5353.16,2189.12) C79.2@5333.95,2169.92 ; C79.2@5326,2146.78 cw(c5326,2114.88) 5348.56,2137.44 ; C79.2@5337.25,2158.03 ccw(c5359.65,2158.03) 5343.81,2142.19 ; C79.2@5339.83,2146.17 cw(c5311.67,2118) v1@5351.5,2118 ; 5355.2,2130.8 cw(c5342.39,2118) v1@5360.5,2118 ; v1(5357,2118) 5357,2129 C79.2@5326,2160 ; U5.14@5358.58,1868.58 5261.42,1868.58 5201,1929 5201,2017.5 C67.2@5166,2052.5 C68.2@5166,2160 5220,2214 5308,2214 5326,2196 C79.2@5326,2160 ; U5.12@5411.73,1941.42 5411.73,1969.27 5385,1996 5356,1996 5326,2026 C80.2@5326,2060 C79.2@5326,2160 ; v1@5486.11,1991.11 cw(c5475.58,1980.58) 5490.47,1980.58 ; U5.8@5490.47,1941.42 v1@5490.47,1994.53 ; 5490.47,1982.86 cw(c5502.14,1982.86) v1@5493.89,1991.11 ; U5.44@5681.42,1809.53 5781.47,1809.53 5879.25,1711.75 6034.99,1711.75 C81.2@6036.57,1713.33 C82.2@6036.57,1820 6013.57,1843 v1(6005,1843) ; v1@6005,1837.5 cw(c6005,1803.54) C82.2@6029.01,1827.55 ; 6008.48,1711.75 cw(c6008.48,1683.27) C81.2@6028.61,1703.41 ; 6010.35,1711.75 ccw(c6010.35,1737.59) C81.2@6028.61,1719.32 ; v1@6014.55,1842.01 ccw(c6035.81,1863.27) C82.2@6036.36,1833.21 ; 6018.76,1837.81 cw(c6002.92,1821.97) C82.2@6025.32,1821.97 ; C81.2@6028.61,1723.26 ccw(c6009.41,1742.46) 6036.57,1742.46 ccw(c6063.72,1742.46) C81.2@6044.52,1723.26 ; C82.2@6028.61,1810.08 cw(c6009.41,1790.88) 6036.57,1790.88 cw(c6063.72,1790.88) C82.2@6044.52,1810.08
  Bottom Layer w9: v1@5357,2112.5 cw(c5357,2099.22) 5366.39,2108.61 cw(c5375.78,2118) v1@5362.5,2118 ; v1(5357,2118) 5480,1995 v1(5490,1995) 5578,1907 5941,1907 v1(6005,1843) ; 5463.54,2011.46 ccw(c5490,2037.92) v1@5490,2000.5 ; 5478.9,1996.1 ccw(c5490,2007.19) v1@5490,1991.5 ; v1@5490,1989.5 cw(c5490,1976.22) 5499.39,1985.61 cw(c5508.78,1995) v1@5495.5,1995 ; v1@5999.5,1843 ccw(c5986.22,1843) 5995.61,1852.39 ccw(c6005,1861.78) v1@6005,1848.5